# KiCad board right.kicad_pcb (continued)
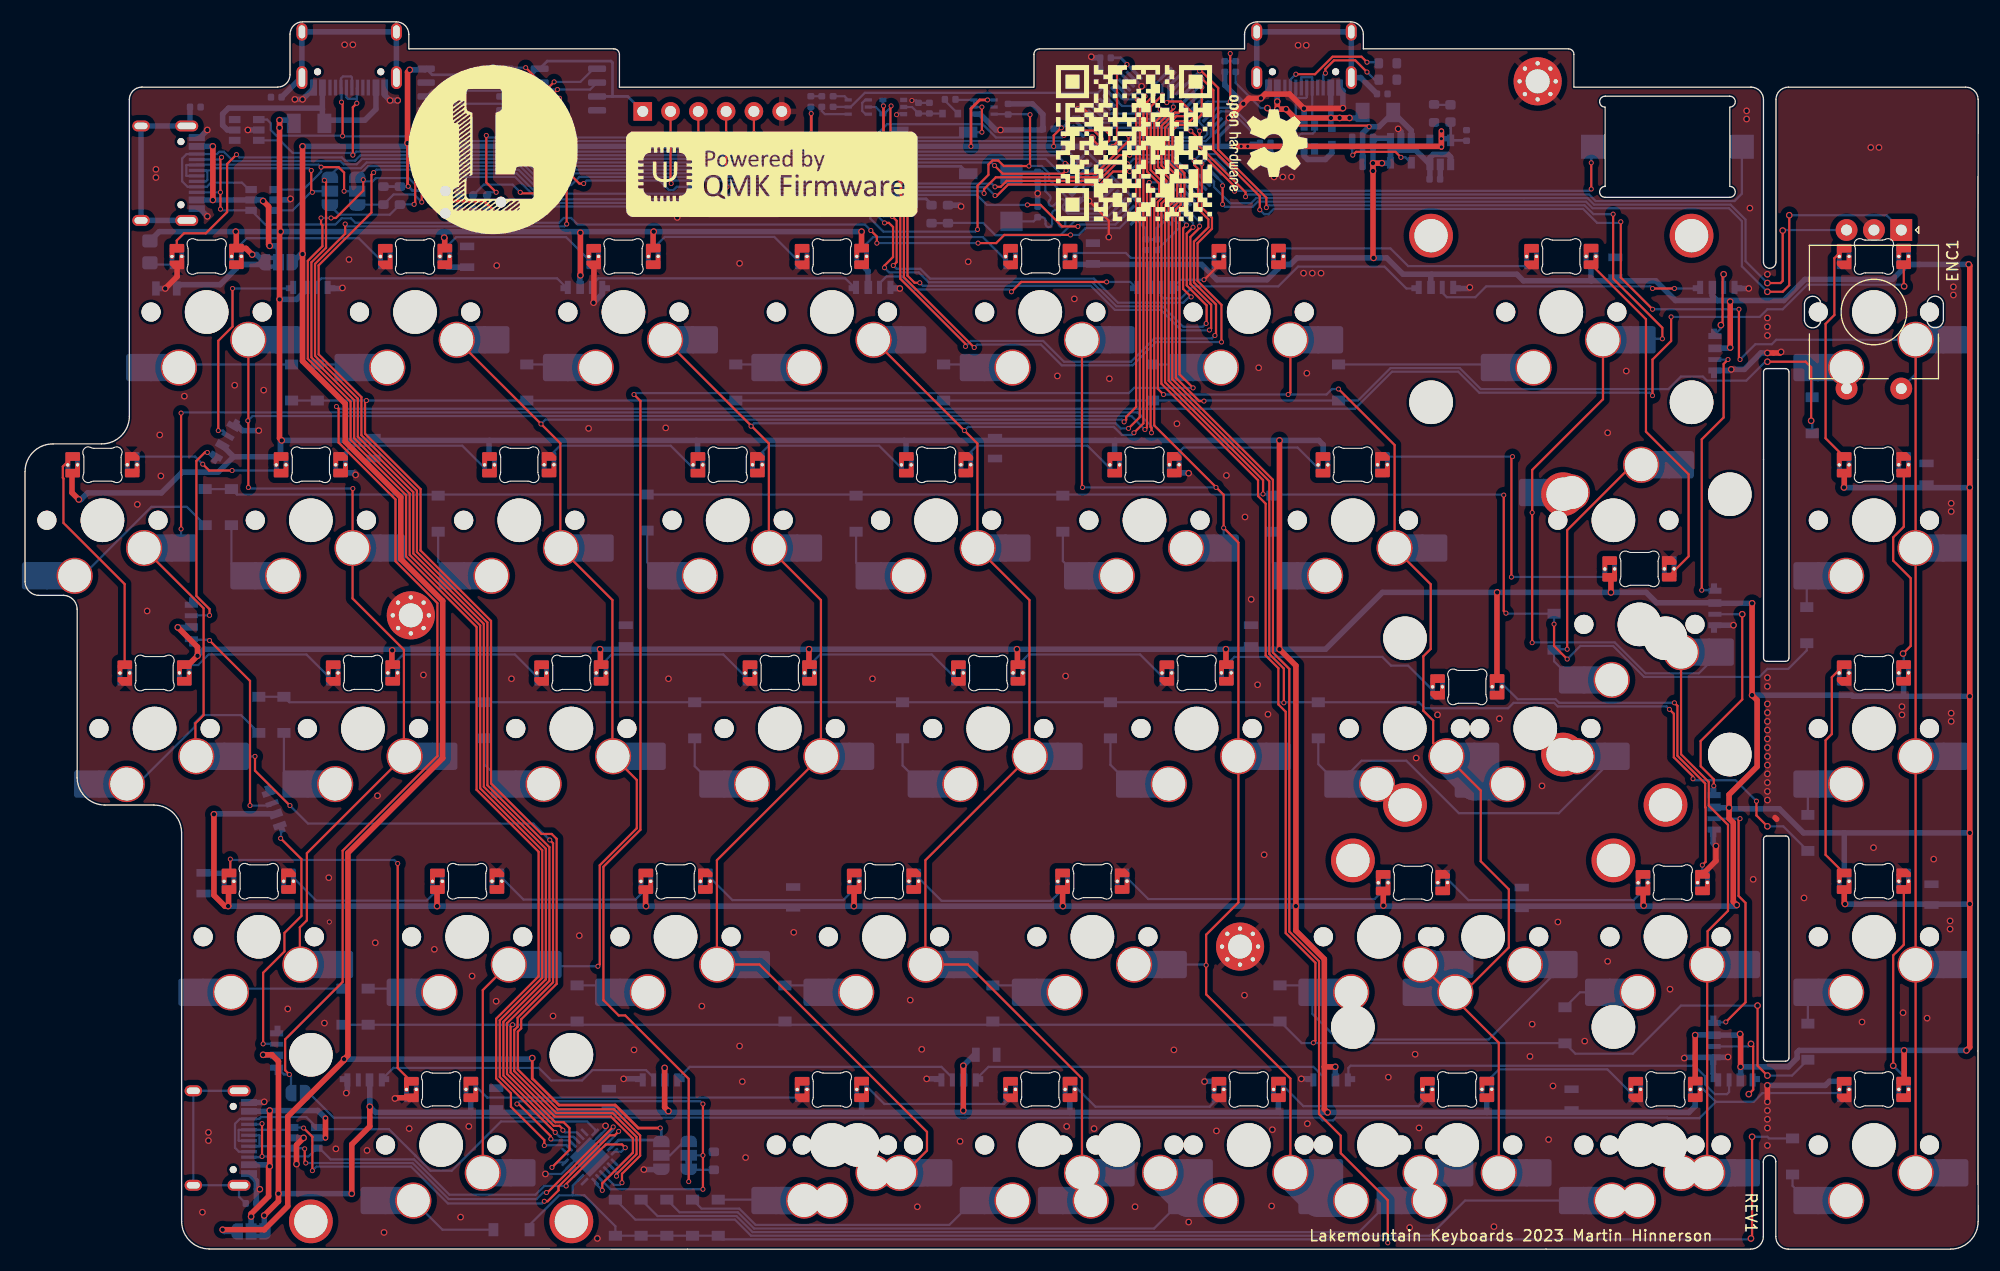
[diagram p0: board, top side]
## Footprints (pads in the part's own frame, mm; a bottom-side part is the same pattern mirrored in y, then rotated)
Buzzer_Mallory_AST1109MLTRQ
  rect 2.2x2.2 smd: 1(-6.8,0) 2(6.8,0)
C_0402_1005Metric
  rrect 0.59x0.64 smd: 1(-0.485,0) 2(0.485,0)
C_0805
  rect 0.7x1.3 smd: 1(-0.95,0) 2(0.95,0)
CON_TC2030_outlined
  round 0.991 hole 0.991 unplated: (-2.54,0) (2.54,-1.016) (2.54,1.016)
  round 0.787 smd: 1(-1.27,-0.635) 2(-1.27,0.635) 3(0,-0.635) 4(0,0.635) 5(1.27,-0.635) 6(1.27,0.635)
D_SOD-123
  rect 0.9x1.2 smd: 1(-1.65,0) 2(1.65,0)
D_SOD-523
  rect 0.6x0.7 smd: 1(-0.7,0) 2(0.7,0)
F1206
  rect 1.27x1.778 smd: 1(-1.397,0) 2(1.397,0)
LED_0402
  rrect 0.59x0.64 smd: +(0.485,0) -(-0.485,0)
LED_0603_1608Metric
  rrect 0.875x0.95 smd: 1(-0.787,0) 2(0.787,0)
LED_MX_6028R
  round 0.457 hole 0.305: 1(2.274,-0.01) 2(3.168,-0.01) 3(-3.168,0) 4(-2.274,0)
  custom 1.342x1.17 smd far side: 1(2.71,-0.74) 2(2.73,0.73) 3(-2.732,-0.73)
  custom 1.342x1.17 smd: 1(2.71,0.73) 2(2.73,-0.74) 3(-2.732,0.74)
  custom 1.338x1.25 smd: 4(-2.7,-0.75)
  custom 1.338x1.25 smd far side: 4(-2.7,0.76)
LED_MX_6028R_Flipped
  custom 1.342x1.17 smd: 1(-2.71,-0.73) 2(-2.73,0.74) 3(2.732,-0.74)
  custom 1.342x1.17 smd far side: 1(-2.71,0.74) 2(-2.73,-0.73) 3(2.732,0.73)
  round 0.457 hole 0.305: 1(-2.274,0.01) 2(-3.168,0.01) 3(3.168,0) 4(2.274,0)
  custom 1.338x1.25 smd far side: 4(2.7,-0.76)
  custom 1.338x1.25 smd: 4(2.7,0.75)
LED_MX_6028R_SOLO
  round 0.457 hole 0.305: 1(2.274,-0.01) 2(3.168,-0.01) 3(-3.168,0) 4(-2.274,0)
  custom 1.342x1.17 smd far side: 1(2.71,-0.74) 2(2.73,0.73) 3(-2.732,-0.73)
  custom 1.342x1.17 smd: 1(2.71,0.73) 2(2.73,-0.74) 3(-2.732,0.74)
  custom 1.338x1.25 smd: 4(-2.7,-0.75)
  custom 1.338x1.25 smd far side: 4(-2.7,0.76)
LQFP-64_10x10mm_P0.5mm
  rrect 1.55x0.3 smd: 1(-5.675,3.75) 2(-5.675,3.25) 3(-5.675,2.75) 4(-5.675,2.25) 5(-5.675,1.75) 6(-5.675,1.25) 7(-5.675,0.75) 8(-5.675,0.25) 9(-5.675,-0.25) 10(-5.675,-0.75) 11(-5.675,-1.25) 12(-5.675,-1.75) 13(-5.675,-2.25) 14(-5.675,-2.75) 15(-5.675,-3.25) 16(-5.675,-3.75) 33(5.675,-3.75) 34(5.675,-3.25) 35(5.675,-2.75) 36(5.675,-2.25) 37(5.675,-1.75) 38(5.675,-1.25) 39(5.675,-0.75) 40(5.675,-0.25) 41(5.675,0.25) 42(5.675,0.75) 43(5.675,1.25) 44(5.675,1.75) 45(5.675,2.25) 46(5.675,2.75) 47(5.675,3.25) 48(5.675,3.75)
  rrect 0.3x1.55 smd: 17(-3.75,-5.675) 18(-3.25,-5.675) 19(-2.75,-5.675) 20(-2.25,-5.675) 21(-1.75,-5.675) 22(-1.25,-5.675) 23(-0.75,-5.675) 24(-0.25,-5.675) 25(0.25,-5.675) 26(0.75,-5.675) 27(1.25,-5.675) 28(1.75,-5.675) 29(2.25,-5.675) 30(2.75,-5.675) 31(3.25,-5.675) 32(3.75,-5.675) 49(3.75,5.675) 50(3.25,5.675) 51(2.75,5.675) 52(2.25,5.675) 53(1.75,5.675) 54(1.25,5.675) 55(0.75,5.675) 56(0.25,5.675) 57(-0.25,5.675) 58(-0.75,5.675) 59(-1.25,5.675) 60(-1.75,5.675) 61(-2.25,5.675) 62(-2.75,5.675) 63(-3.25,5.675) 64(-3.75,5.675)
MountingHole_2.2mm_M2_Pad_Via
  round 0.7 hole 0.4: 1(-1.65,0) 1(-1.167,-1.167) 1(-1.167,1.167) 1(0,-1.65) 1(0,1.65) 1(1.167,-1.167) 1(1.167,1.167) 1(1.65,0)
  round 4.4 hole 2.2: 1(0,0)
PinHeader_1x06_P2.54mm_Vertical
  rect 1.7x1.7 hole 1: 1(0,0)
  oval 1.7x1.7 hole 1: 2(0,-2.54) 3(0,-5.08) 4(0,-7.62) 5(0,-10.16) 6(0,-12.7)
R_0402_1005Metric
  rrect 0.59x0.64 smd: 1(-0.485,0) 2(0.485,0)
R_0603_1608Metric
  rrect 0.8x0.95 smd: 1(-0.825,0) 2(0.825,0)
R_0805_2012Metric_Pad1.20x1.40mm_HandSolder
  rrect 1.2x1.4 smd: 1(-1,0) 2(1,0)
RotaryEncoder-Switch_Vertical_H20mm
  rect 2x2 hole 1: A(-7.5,2.5)
  round 2 hole 1: B(-7.5,-2.5) C(-7.5,0) S1(7,-2.5) S2(7,2.5)
sk6812side
  custom 0.7x1.2 smd: 1(-0.45,0.3)
  custom 0.45x1.2 smd: 2(0.6,0.3)
  custom 0.95x1.2 smd: 3(-1.6,0.3)
  custom 0.975x1.2 smd: 4(1.6,0.3)
sk6812side#2
  custom 0.7x1.2 smd: 1(-0.45,0.3)
  custom 0.45x1.2 smd: 2(0.6,0.3)
  custom 0.95x1.2 smd: 3(-1.6,0.3)
  custom 0.975x1.2 smd: 4(1.6,0.3)
SOIC-8_5.23x5.23mm_P1.27mm
  rrect 1.6x0.6 smd: 1(-3.6,1.905) 2(-3.6,0.635) 3(-3.6,-0.635) 4(-3.6,-1.905) 5(3.6,-1.905) 6(3.6,-0.635) 7(3.6,0.635) 8(3.6,1.905)
SolderJumper-2_P1.3mm_Open_RoundedPad1.0x1.5mm
  custom 1x1.5 smd: 1(-0.65,0) 2(0.65,0)
SolderJumper-3_P1.3mm_Bridged2Bar12_RoundedPad1.0x1.5mm
  custom 1.05x1.5 smd: 1(-1.3,0) 3(1.3,0)
  rect 1x1.5 smd: 2(0,0)
SolderJumper-3_P1.3mm_Bridged12_RoundedPad1.0x1.5mm
  custom 1.05x1.5 smd: 1(-1.3,0) 3(1.3,0)
  rect 1x1.5 smd: 2(0,0)
SolderJumper-3_P1.3mm_Open_RoundedPad1.0x1.5mm_NumberLabels
  custom 1.05x1.5 smd: 1(-1.3,0) 3(1.3,0)
  rect 1x1.5 smd: 2(0,0)
SOP-8_3.9x4.9mm_P1.27mm
  rrect 1.65x0.6 smd: 1(-2.625,1.905) 2(-2.625,0.635) 3(-2.625,-0.635) 4(-2.625,-1.905) 5(2.625,-1.905) 6(2.625,-0.635) 7(2.625,0.635) 8(2.625,1.905)
SOT-23
  rrect 1.475x0.6 smd: 1(-0.938,0.95) 2(-0.938,-0.95) 3(0.938,0)
SOT-23-5
  rect 1.06x0.65 smd: 1(1.1,-0.95) 2(1.1,0) 3(1.1,0.95) 4(-1.1,0.95) 5(-1.1,-0.95)
SOT-23-6
  rect 1.06x0.65 smd: 1(-1.1,0.95) 2(-1.1,0) 3(-1.1,-0.95) 4(1.1,-0.95) 5(1.1,0) 6(1.1,0.95)
SOT-353_SC-70-5
  rect 0.65x0.4 smd: 1(0.95,-0.65) 2(0.95,0) 3(0.95,0.65) 4(-0.95,0.65) 5(-0.95,-0.65)
SOT-363_SC-70-6_SC-88
  rect 0.66x0.3 smd: 1(0.92,-0.65) 2(0.92,0) 3(0.92,0.65) 4(-0.92,0.65) 5(-0.92,0) 6(-0.92,-0.65)
STAB_MX_P_2.25u
  round 4 hole 3.048: (-11.906,6.985) (11.906,6.985)
  round 3.988 hole 3.988 unplated: (-11.906,-8.255) (11.906,-8.255)
STAB_MX_P_2.75u
  round 4 hole 3.048: (-11.906,6.985) (11.906,6.985)
  round 3.988 hole 3.988 unplated: (-11.906,-8.255) (11.906,-8.255)
STAB_MX_P_2u
  round 4 hole 3.048: (-11.906,6.985) (11.906,6.985)
  round 3.988 hole 3.988 unplated: (-11.906,-8.255) (11.906,-8.255)
STAB_MX_P_ISO
  round 4 hole 3.048: (-6.985,11.906) (-6.985,-11.906)
  round 3.988 hole 3.988 unplated: (8.255,11.906) (8.255,-11.906)
SW_MX_HS_1.5u
  round 1.75 hole 1.75 unplated: (-5.08,0) (5.08,0)
  round 3.988 hole 3.988 unplated: (0,0)
  round 3.3 hole 3: 1(3.81,2.54) 2(-2.54,5.08)
  rect 1.65x2.5 smd: 1(5.635,2.54) 2(-4.34,5.08)
  rrect 2.55x2.5 smd: 1(7.36,2.54) 2(-6.09,5.08)
SW_MX_HS_1.25u
  round 1.75 hole 1.75 unplated: (-5.08,0) (5.08,0)
  round 3.988 hole 3.988 unplated: (0,0)
  round 3.3 hole 3: 1(3.81,2.54) 2(-2.54,5.08)
  rect 1.65x2.5 smd: 1(5.635,2.54) 2(-4.34,5.08)
  rrect 2.55x2.5 smd: 1(7.36,2.54) 2(-6.09,5.08)
SW_MX_HS_1.75u
  round 1.75 hole 1.75 unplated: (-5.08,0) (5.08,0)
  round 3.988 hole 3.988 unplated: (0,0)
  round 3.3 hole 3: 1(3.81,2.54) 2(-2.54,5.08)
  rect 1.65x2.5 smd: 1(5.635,2.54) 2(-4.34,5.08)
  rrect 2.55x2.5 smd: 1(7.36,2.54) 2(-6.09,5.08)
SW_MX_HS_1u
  round 1.75 hole 1.75 unplated: (-5.08,0) (5.08,0)
  round 3.988 hole 3.988 unplated: (0,0)
  round 3.3 hole 3: 1(3.81,2.54) 2(-2.54,5.08)
  rect 1.65x2.5 smd: 1(5.635,2.54) 2(-4.34,5.08)
  rrect 2.55x2.5 smd: 1(7.36,2.54) 2(-6.09,5.08)
SW_MX_HS_2.25u
  round 1.75 hole 1.75 unplated: (-5.08,0) (5.08,0)
  round 3.988 hole 3.988 unplated: (0,0)
  round 3.3 hole 3: 1(3.81,2.54) 2(-2.54,5.08)
  rect 1.65x2.5 smd: 1(5.635,2.54) 2(-4.34,5.08)
  rrect 2.55x2.5 smd: 1(7.36,2.54) 2(-6.09,5.08)
SW_MX_HS_2.75u
  round 1.75 hole 1.75 unplated: (-5.08,0) (5.08,0)
  round 3.988 hole 3.988 unplated: (0,0)
  round 3.3 hole 3: 1(3.81,2.54) 2(-2.54,5.08)
  rect 1.65x2.5 smd: 1(5.635,2.54) 2(-4.34,5.08)
  rrect 2.55x2.5 smd: 1(7.36,2.54) 2(-6.09,5.08)
SW_MX_HS_2u
  round 1.75 hole 1.75 unplated: (-5.08,0) (5.08,0)
  round 3.988 hole 3.988 unplated: (0,0)
  round 3.3 hole 3: 1(3.81,2.54) 2(-2.54,5.08)
  rect 1.65x2.5 smd: 1(5.635,2.54) 2(-4.34,5.08)
  rrect 2.55x2.5 smd: 1(7.36,2.54) 2(-6.09,5.08)
SW_SPST_TL3342
  rect 1.7x1 smd: 1(-3.15,1.9) 1(3.15,1.9) 2(-3.15,-1.9) 2(3.15,-1.9)
USB_C_Receptacle_HRO_TYPE-C-31-M-12
  round 0.65 hole 0.65 unplated: (-2.89,2.6) (2.89,2.6)
  rect 0.6x1.45 smd: A1(-3.25,4.045) A4(-2.45,4.045) A9(2.45,4.045) A12(3.25,4.045) B1(3.25,4.045) B4(2.45,4.045) B9(-2.45,4.045) B12(-3.25,4.045)
  rect 0.3x1.45 smd: A5(-1.25,4.045) A6(-0.25,4.045) A7(0.25,4.045) A8(1.25,4.045) B5(1.75,4.045) B6(0.75,4.045) B7(-0.75,4.045) B8(-1.75,4.045)
  oval 1x1.6 hole 0.6x1.2: S1(-4.32,-1.05) S1(4.32,-1.05)
  oval 1x2.1 hole 0.6x1.7: S1(-4.32,3.13) S1(4.32,3.13)
WQFN-24-1EP_4x4mm_P0.5mm_EP2.6x2.6mm
  rrect 1.05x1.05 smd: (-0.65,-0.65) (-0.65,0.65) (0.65,-0.65) (0.65,0.65)
  rrect 0.875x0.25 smd: 1(-1.938,1.25) 2(-1.937,0.75) 3(-1.938,0.25) 4(-1.938,-0.25) 5(-1.937,-0.75) 6(-1.938,-1.25) 13(1.938,-1.25) 14(1.937,-0.75) 15(1.938,-0.25) 16(1.938,0.25) 17(1.937,0.75) 18(1.938,1.25)
  rrect 0.25x0.875 smd: 7(-1.25,-1.938) 8(-0.75,-1.937) 9(-0.25,-1.938) 10(0.25,-1.938) 11(0.75,-1.937) 12(1.25,-1.938) 19(1.25,1.938) 20(0.75,1.937) 21(0.25,1.938) 22(-0.25,1.938) 23(-0.75,1.937) 24(-1.25,1.938)
  rect 2.6x2.6 smd: 25(0,0)
X2-SMD-5.0X3.2X1.3MM
  rect 1.778x2.032 smd: 1(-2.159,0) 2(2.159,0)

## Nets
+3.3V: C1.1 C3.1 C5.1 C6.1 C7.1 C8.1 C9.1 C11.1 D1.1 J2.1 J4.1 JP2.3 JP5.3 JP8.3 Q1.4 R2.1 R8.1 R12.1 R13.1 SW1.2 U1.1 U1.13 U1.19 U1.32 U1.48 U1.64 U2.5 U5.5 U7.3 U7.7 U7.8 U8.8 U9.5
+5V: C4.1 C13.1 C14.2 C15.1 C16.2 C17.1 C18.1 C19.2 C20.1 C21.1 C24.1 C25.2 C26.1 C27.2 C28.1 C29.1 C30.2 C31.1 F2.2 JP2.1 JP8.1 LEDa1.1 LEDa2.1 LEDa3.1 LEDa4.1 LEDa5.1 LEDa6.1 LEDa7.1 LEDa8.1 LEDb1.1 LEDb2.1 LEDb3.1 LEDb4.1 LEDb5.1 LEDb6.1 LEDb7.1 LEDb8.1 LEDb9.1 LEDc1.1 LEDc2.1 LEDc3.1 LEDc4.1 LEDc5.1 LEDc6.1 LEDc7.1 LEDc8.1 LEDd1.1 LEDd2.1 LEDd3.1 LEDd4.1 LEDd5.1 LEDd6.1 LEDd7.1 LEDd8.1 LEDe1.1 LEDe2.1 LEDe3.1 LEDe4.1 LEDe5.1 LEDe6.1 LEDe7.1 LEDs1.1 LEDs2.1 LEDs3.1 LEDs4.1 LEDs5.1 LEDs6.1 LEDs7.1 LEDs8.1 LEDs9.1 LEDs10.1 LEDs11.1 LEDs12.1 LEDs13.1 LEDs14.1 LEDs15.1 LEDs16.1 LEDs17.1 LEDs18.1 LEDs19.1 Q3.2 R1.2 U2.1 U2.3 U6.1 U6.5
/VBUS_DETECT: R10.2 R11.1 U1.42
GND: C1.2 C2.2 C3.2 C4.2 C5.2 C6.2 C7.2 C8.2 C9.2 C10.2 C11.2 C12.2 C13.2 C14.1 C15.2 C16.1 C17.2 C18.2 C19.1 C20.2 C21.2 C22.2 C23.2 C24.2 C25.1 C26.2 C27.1 C28.2 C29.2 C30.1 C31.2 ENC1.C FB1.2 FB2.2 FB3.2 FB4.2 H1.1 H2.1 H3.1 J1.A1 J1.A12 J1.B1 J1.B12 J2.6 J3.A1 J3.A12 J3.B1 J3.B12 J4.5 J5.A1 J5.A12 J5.B1 J5.B12 J6.A1 J6.A12 J6.B1 J6.B12 JP5.1 LEDa1.4 LEDa2.4 LEDa3.4 LEDa4.4 LEDa5.4 LEDa6.4 LEDa7.4 LEDa8.4 LEDb1.4 LEDb2.4 LEDb3.4 LEDb4.4 LEDb5.4 LEDb6.4 LEDb7.4 LEDb8.4 LEDb9.4 LEDc1.4 LEDc2.4 LEDc3.4 LEDc4.4 LEDc5.4 LEDc6.4 LEDc7.4 LEDc8.4 LEDd1.4 LEDd2.4 LEDd3.4 LEDd4.4 LEDd5.4 LEDd6.4 LEDd7.4 LEDd8.4 LEDe1.4 LEDe2.4 LEDe3.4 LEDe4.4 LEDe5.4 LEDe6.4 LEDe7.4 LEDs1.4 LEDs2.4 LEDs3.4 LEDs4.4 LEDs5.4 LEDs6.4 LEDs7.4 LEDs8.4 LEDs9.4 LEDs10.4 LEDs11.4 LEDs12.4 LEDs13.4 LEDs14.4 LEDs15.4 LEDs16.4 LEDs17.4 LEDs18.4 LEDs19.4 Q1.1 Q2.1 Q2.3 R3.1 R4.1 R6.2 R7.2 R11.2 R14.2 R15.2 U1.12 U1.18 U1.31 U1.47 U1.63 U2.2 U3.2 U4.2 U5.3 U6.2 U7.4 U8.4 U9.2 U9.17 U9.25 U10.2 U11.2
/audio1: LS1.2 U1.20
/audio2: LS1.1 U1.21
/B2: Q2.5 R9.2 SWa4.1 SWb5.1 SWc5.1 SWd4.1 SWe3.1 SWe9.2 U1.28
/BOOT0: Q2.2 U1.60 U5.4
/col0: SWb1.1 SWc1.1 U1.59 U9.8
/col1: SWa1.1 SWb2.1 SWc2.1 SWd1.1 U1.58
/col2: SWa2.1 SWb3.1 SWc3.1 SWd2.1 SWe1.1 U1.26
/col3: SWa3.1 SWb4.1 SWc4.1 SWd3.1 SWe2.1 SWe8.1 U1.27
/col5: SWa5.1 SWb6.1 SWc6.1 SWd5.1 SWe4.1 SWe10.2 U1.33
/col6: SWa6.1 SWb7.1 SWc7.1 SWcx7.2 SWd6.1 SWd9.2 SWe5.1 U1.34
/col7: SWa7.1 SWb8.1 SWbx8.1 SWd7.1 SWe6.1 SWe11.1 U1.37
/col8: ENC1.S2 SWa8.1 SWb9.1 SWc8.1 SWd8.1 SWe7.1 U1.38
/CONN2_CS: J6.A8 J6.B8 U1.2 U11.4
/CONN_CS: U1.3 U9.18
/CONN_SEL: JP13.1 R15.1 U1.39
/DFU: Q1.5
/DO60: JP1.1 LEDe5.2 LEDe6.3
/DO65: JP1.2 LEDa8.2 LEDs4.3
/EEPROM_CS: U1.14 U7.1
/ENC_A: ENC1.A U1.52
/ENC_B: ENC1.B U1.53
/F0: C22.1 U1.5 Y1.1
/F1: C23.1 U1.6 Y1.2
/FLASH_CS: U1.43 U8.1
/I2C1_SCL: JP4.3 R2.2 U1.61
/I2C1_SDA: JP3.3 R8.2 U1.62
/JTCK: J2.4 J4.4 U1.49
/JTDI: J2.2 U1.50
/JTDO: J2.3 J4.6 JP4.1 U1.55 U7.6 U8.6 U9.20
/JTMS: J2.5 J4.2 U1.46
/NRST: C2.1 J4.3 Q1.6 U1.7
/RGB_DATA: LEDa1.3 R1.1 U1.15
/row0: Da1.1 Da2.1 Da3.1 Da4.1 Da5.1 Da6.1 Da7.1 Da8.1 U1.35 U9.10
/row1: Db1.1 Db2.1 Db3.1 Db4.1 Db5.1 Db6.1 Db7.1 Db10.1 Db11.1 U1.36
/row2: Db8.1 Dc1.1 Dc2.1 Dc3.1 Dc4.1 Dc5.1 Dc6.1 Dc7.1 U1.22
/row3: Dd1.1 Dd2.1 Dd3.1 Dd4.1 Dd5.1 Dd6.1 Dd7.1 Dd8.1 U1.23 U9.12
/row4: Db9.1 De2.1 De3.1 De4.1 De5.1 De6.1 De7.1 U1.41 U9.14
/SPI_MISO: J6.A5 J6.B5 U1.56 U7.2 U8.2 U9.23 U11.6
/SPI_MOSI: JP3.1 U1.57 U7.5 U8.5 U9.22
/SPLIT_HAND_PIN: R13.2 R14.1 U1.4
/USART2_RX: J3.A7 J3.B7 U1.17 U10.1
/USART2_TX: J3.A6 J3.B6 U1.16 U10.3
/USB_D+: J1.A6 J1.B6 U1.45 U4.3
/USB_D-: J1.A7 J1.B7 U1.44 U4.1
/USB_VBUS: D2.2 F1.2 J1.A4 J1.A9 J1.B4 J1.B9
/USB_VBUS_FUSED: F1.1 Q3.3 R10.1 U6.3
/USB_VBUS_IN_LINK: F2.1 J3.A4 J3.A9 J3.B4 J3.B9 U10.5
/VCAP_1: C12.1 U1.30
/z1: J5.A5 J5.B5 U3.4 U9.1
/z2: J5.A7 J5.B7 U3.1 U9.3
/z3: J5.A6 J5.B6 U3.3 U9.4
/z4: J5.A8 J5.B8 U3.6 U9.6
Net-(D1-K): D1.2 R6.1
Net-(D2-K): D2.1 U4.5
Net-(D3-Pad+): D3.+ R12.2
Net-(D3-Pad-): D3.- Q2.4
Net-(Da1-A): Da1.2 SWa1.2
Net-(Da2-A): Da2.2 SWa2.2
Net-(Da3-A): Da3.2 SWa3.2
Net-(Da4-A): Da4.2 SWa4.2
Net-(Da5-A): Da5.2 SWa5.2
Net-(Da6-A): Da6.2 SWa6.2
Net-(Da7-A): Da7.2 SWa7.2
Net-(Da8-A): Da8.2 ENC1.S1 SWa8.2
Net-(Db1-A): Db1.2 SWb1.2
Net-(Db2-A): Db2.2 SWb2.2
Net-(Db3-A): Db3.2 SWb3.2
Net-(Db4-A): Db4.2 SWb4.2
Net-(Db5-A): Db5.2 SWb5.2
Net-(Db6-A): Db6.2 SWb6.2
Net-(Db7-A): Db7.2 SWb7.2
Net-(Db8-A): Db8.2 SWc7.2 SWcx7.1
Net-(Db9-A): Db9.2 SWe5.2 SWe10.1
Net-(Db10-A): Db10.2 SWb8.2 SWbx8.2
Net-(Db11-A): Db11.2 SWb9.2
Net-(Dc1-A): Dc1.2 SWc1.2
Net-(Dc2-A): Dc2.2 SWc2.2
Net-(Dc3-A): Dc3.2 SWc3.2
Net-(Dc4-A): Dc4.2 SWc4.2
Net-(Dc5-A): Dc5.2 SWc5.2
Net-(Dc6-A): Dc6.2 SWc6.2
Net-(Dc7-A): Dc7.2 SWc8.2
Net-(Dd1-A): Dd1.2 SWd1.2
Net-(Dd2-A): Dd2.2 SWd2.2
Net-(Dd3-A): Dd3.2 SWd3.2
Net-(Dd4-A): Dd4.2 SWd4.2
Net-(Dd5-A): Dd5.2 SWd5.2
Net-(Dd6-A): Dd6.2 SWd6.2 SWd9.1
Net-(Dd7-A): Dd7.2 SWd7.2
Net-(Dd8-A): Dd8.2 SWd8.2
Net-(De1-A): De1.2 R5.2
Net-(De1-K): C10.1 De1.1 R7.1 U5.2
Net-(De2-A): De2.2 SWe1.2
Net-(De3-A): De3.2 SWe2.2 SWe8.2
Net-(De4-A): De4.2 SWe4.2 SWe9.1
Net-(De5-A): De5.2 SWe6.2 SWe11.2
Net-(De6-A): De6.2 SWe7.2
Net-(De7-A): De7.2 SWe3.2
Net-(J1-CC1): J1.A5 R3.2
Net-(J1-CC2): J1.B5 R4.2
Net-(J1-SHIELD): FB1.1 J1.S1
Net-(J3-SHIELD): FB2.1 J3.S1
Net-(J5-SHIELD): FB3.1 J5.S1
Net-(J6-SHIELD): FB4.1 J6.S1
Net-(JP2-C): J6.A4 J6.A9 J6.B4 J6.B9 JP2.2 U11.5
Net-(JP3-C): J6.A7 J6.B7 JP3.2 U11.3
Net-(JP4-C): J6.A6 J6.B6 JP4.2 U11.1
Net-(JP8-C): J5.A4 J5.A9 J5.B4 J5.B9 JP8.2 U3.5
Net-(JP13-B): JP5.2 JP13.3
Net-(JP13-C): JP13.2 U9.11 U9.21
Net-(LEDa1-DOUT): LEDa1.2 LEDa2.3
Net-(LEDa2-DOUT): LEDa2.2 LEDa3.3
Net-(LEDa3-DOUT): LEDa3.2 LEDa4.3
Net-(LEDa4-DOUT): LEDa4.2 LEDa5.3
Net-(LEDa5-DOUT): LEDa5.2 LEDa6.3
Net-(LEDa6-DOUT): LEDa6.2 LEDa7.3
Net-(LEDa7-DOUT): LEDa7.2 LEDb8.3
Net-(LEDa8-DIN): LEDa8.3 LEDb9.2
Net-(LEDb1-DIN): LEDb1.3 LEDb2.2
Net-(LEDb1-DOUT): LEDb1.2 LEDc1.3
Net-(LEDb2-DIN): LEDb2.3 LEDb3.2
Net-(LEDb3-DIN): LEDb3.3 LEDb4.2
Net-(LEDb4-DIN): LEDb4.3 LEDb5.2
Net-(LEDb5-DIN): LEDb5.3 LEDb6.2
Net-(LEDb6-DIN): LEDb6.3 LEDb7.2
Net-(LEDb7-DIN): LEDb7.3 LEDb8.2
Net-(LEDb9-DIN): LEDb9.3 LEDc8.2
Net-(LEDc1-DOUT): LEDc1.2 LEDc2.3
Net-(LEDc2-DOUT): LEDc2.2 LEDc3.3
Net-(LEDc3-DOUT): LEDc3.2 LEDc4.3
Net-(LEDc4-DOUT): LEDc4.2 LEDc5.3
Net-(LEDc5-DOUT): LEDc5.2 LEDc6.3
Net-(LEDc6-DOUT): LEDc6.2 LEDc7.3
Net-(LEDc7-DOUT): LEDc7.2 LEDd7.3
Net-(LEDc8-DIN): LEDc8.3 LEDd8.2
Net-(LEDd1-DIN): LEDd1.3 LEDd2.2
Net-(LEDd1-DOUT): LEDd1.2 LEDe1.3
Net-(LEDd2-DIN): LEDd2.3 LEDd3.2
Net-(LEDd3-DIN): LEDd3.3 LEDd4.2
Net-(LEDd4-DIN): LEDd4.3 LEDd5.2
Net-(LEDd5-DIN): LEDd5.3 LEDd6.2
Net-(LEDd6-DIN): LEDd6.3 LEDd7.2
Net-(LEDd8-DIN): LEDd8.3 LEDe6.2
Net-(LEDe1-DOUT): LEDe1.2 LEDe2.3
Net-(LEDe2-DOUT): LEDe2.2 LEDe7.3
Net-(LEDe3-DIN): LEDe3.3 LEDe7.2
Net-(LEDe3-DOUT): LEDe3.2 LEDe4.3
Net-(LEDe4-DOUT): LEDe4.2 LEDe5.3
Net-(LEDs1-DIN): LEDs1.3 LEDs2.2
Net-(LEDs1-DOUT): LEDs1.2 LEDs5.3
Net-(LEDs2-DIN): LEDs2.3 LEDs3.2
Net-(LEDs3-DIN): LEDs3.3 LEDs4.2
Net-(LEDs5-DOUT): LEDs5.2 LEDs7.3
Net-(LEDs6-DIN): LEDs6.3 LEDs8.2
Net-(LEDs7-DOUT): LEDs7.2 LEDs9.3
Net-(LEDs10-DIN): LEDs10.3 LEDs12.2
Net-(LEDs10-DOUT): LEDs8.3 LEDs10.2
Net-(LEDs11-DIN): LEDs9.2 LEDs11.3
Net-(LEDs11-DOUT): LEDs11.2 LEDs13.3
Net-(LEDs12-DIN): LEDs12.3 LEDs14.2
Net-(LEDs13-DOUT): LEDs13.2 LEDs15.3
Net-(LEDs14-DIN): LEDs14.3 LEDs19.2
Net-(LEDs15-DOUT): LEDs15.2 LEDs16.3
Net-(LEDs16-DOUT): LEDs16.2 LEDs17.3
Net-(LEDs17-DOUT): LEDs17.2 LEDs18.3
Net-(LEDs18-DOUT): LEDs18.2 LEDs19.3
Net-(Q1-B): Q1.2 Q1.3 R5.1 SW1.1
Net-(Q2-C-Pad6): Q2.6 R9.1
Net-(Q3-G): Q3.1 U6.4

Pads without a net: J1 A8 B8; J3 A5 A8 B5 B8; LEDs6 2; U1 8 9 10 11 24 25 29 40 51 54; U2 4; U4 4 6; U5 1; U8 3 7; U9 7 9 13 15 16 19 24; U10 4 6

## Via types
v1: diameter 0.61, hole 0.406, Top to Bottom, 308 vias
v2: diameter 0.457, hole 0.305, Top to Bottom, 250 vias

## Routing (per net, layer and track width the routed paths; a pad name or vN(x,y) marks a point on that pad's centre or on a via; arc(x,y) is an arc through that point)
+3.3V: length 389.2
  Top w0.203: v2(94.02,100.87) 94.02,101.87 v2(94.73,102.57) ; v2(99.42,100.87) 99.81,101.26 99.81,107.46 v2(100.73,108.37)
  Top w0.254: v2(35.02,97.22) 34.96,97.29 v1(34.96,101.18) ; v2(86.46,100.88) 86.46,104.33 87.26,105.12 v2(87.98,105.12) ; v2(43.06,94.78) 41.96,95.88 v2(37.36,95.88) ; v2(71.86,103.88) 71.86,100.98 v2(71.76,100.88) ; v2(58.06,11.08) 56.05,11.08 53.95,13.18 48.8,13.18 46.36,15.62 v1(46.36,17.48) ; v2(80.06,95.88) 80.06,97.58 v2(78.76,98.88) 78.46,99.18 v2(78.46,100.88) v2(78.46,104.58)
  Top w0.508: v2(110.51,100.88) 129.41,100.88 v2(129.46,100.83) v2(129.46,102.28) ; v1(35.16,107.88) 34.96,107.68 v1(34.96,101.18) ; v1(18.06,1.78) 21.86,1.78 24.01,3.93 24.01,12.13 29.16,17.28 v1(29.16,17.38) 29.51,17.73 29.51,36.25 38.17,44.91 38.17,59.3 34.35,63.13 34.35,68.78 29.27,73.85 29.27,77.33 25.36,81.24 v1(25.36,91.03) v1(25.36,100.88)
  Bottom w0.203: Q1.4 87.98,105.13 v2(87.98,105.12)
  Bottom w0.254: v2(78.76,98.88) 79.41,98.88 SW1.2 80.58,99.05 85.54,99.05 SW1.2 ; 47.04,107.98 47.73,108.68 53.56,108.68 53.7,108.54 53.7,105.44 ; U5.5 78.41,104.63 v2(78.46,104.58) ; JP5.3 58.16,10.98 v2(58.06,11.08) ; J2.1 55.1,105.44 53.7,105.44 ; R2.1 R8.1 35,97.2 v2(35.02,97.22) 35.42,96.83 36.41,96.83 v2(37.36,95.88) ; 53.7,105.44 52.29,105.44 ; 46.32,107.43 37.22,107.43 36.66,107.98 ; 46.32,107.43 46.88,107.98 ; 46.32,107.43 U7.7 ; v2(71.86,103.88) 71.83,103.91 R12.1 ; J4.1 42.7,95.14 v2(43.06,94.78) ; C7.1 C9.1 112.06,101.18 v2(111.76,100.88) ; 58.06,9.98 54.26,9.98 53.55,9.27 U9.5 ; 95.72,96.86 U1.13 98.14,99.27 98.17,99.27 ; 82.86,95.58 82.36,96.08 80.26,96.08 v2(80.06,95.88) ; 96.58,100.88 96.58,100.87 98.17,99.27 ; 98.17,99.27 102.23,95.22 102.23,94.88 U1.1 102.46,93.33 C3.1 C5.1 103.46,93.39 U1.64 ; 109.16,101.81 109.16,100.88 ; U1.19 96.35,103.57 95.83,103.57 94.73,102.47 C11.1 ; 130.31,103.08 U2.5 131.73,101.43 ; 99.25,108.98 100.14,108.98 U1.32
  Bottom w0.508: v1(46.36,17.48) 46.26,17.38 v1(29.16,17.38) ; v1(34.96,101.18) 35.26,100.88 35.56,100.88 ; 35.56,100.88 v2(71.76,100.88) v2(78.46,100.88) v2(111.76,100.88) ; 35.56,100.88 v1(25.36,100.88) ; U2.5 130.16,101.58 v2(129.46,101.58) ; v2(129.46,100.83) v2(129.46,102.28) ; JP2.3 25.21,91.03 v1(25.36,91.03) ; 36.66,107.98 36.56,107.88 v1(35.16,107.88) ; v1(18.06,1.78) 18.22,1.62 JP8.3
  vias: v2(111.16,100.88)
+5V: length 1171.1
  Top w0.508: v1(31.51,13.03) 31.51,11.23 29.86,9.58 v1(29.86,5.08) ; v1(21.76,17.78) 22.56,17.78 23.16,17.18 23.16,4.38 v1(21.86,3.08) ; v1(94.86,31.38) 94.84,31.4 94.84,32.91 ; v1(20.76,90.98) 20.2,91.54 LEDa1.1 19.31,93.03 v1(19.26,93.08) ; v1(75.76,31.38) 75.78,31.4 75.78,32.91 ; v1(114.66,73.98) v1(114.66,54.88) 116.16,53.38 v1(116.16,31.38) 116.16,29.13 118.76,26.53 118.76,16.68 ; LEDd7.1 147.9,31.49 v1(147.96,31.43) ; v1(50.76,89.08) v1(50.76,92.98) ; 90.71,53.44 90.71,54.83 v1(90.66,54.88) ; v1(155.86,82.48) v1(155.86,86.68) ; 56.72,32.91 56.72,31.42 v1(56.76,31.38) ; v1(58.81,12.63) 58.46,12.98 v1(58.46,16.58) ; v1(156.46,31.48) 156.15,31.8 156.15,39.01 155.76,39.4 v1(155.76,40.38) 155.76,41.58 158.33,44.14 158.33,50.21 v1(157.86,50.68) v1(157.86,59.08) ; v1(23.26,103.28) 23.26,74.18 v1(23.46,73.98) ; v1(177.46,18.18) 177.76,18.48 177.76,89.98 v1(177.66,90.08) ; v1(76.46,93.08) 76.46,91.55 ; v1(109.76,54.88) 109.77,54.87 109.77,53.44 ; LEDd6.1 124.15,31.44 v1(124.16,31.43) ; v1(124.02,99.34) v1(123.21,99.34) v1(123.21,98.63) 123.21,90.73 v1(123.26,90.68) ; v1(144.96,60.08) 144.96,61.39 ; 118.76,16.68 118.76,12.81 v1(119.06,12.51) ; 118.76,16.68 v1(119.76,16.68) ; v1(33.56,54.78) 33.53,54.75 33.53,53.44 ; 18.6,32.91 18.6,31.42 v1(18.56,31.38) 18.26,31.38 17.26,32.38 v1(17.26,39.78) ; v1(166.36,31.58) 166.29,31.65 LEDd8.1 ; v1(37.66,31.38) 37.66,31.38 37.66,32.91 ; v1(52.56,54.88) 52.59,54.85 52.59,53.44 ; 4.29,71.01 4.29,69.2 v1(4.91,68.58) ; v1(134.56,60.08) 134.55,60.06 LEDc7.1 ; v1(156.76,19.68) 156.81,19.63 v1(156.81,16.68) ; v1(85.76,16.78) v1(85.76,12.68) ; v1(38.31,92.53) 38.36,92.48 LEDa2.1 ; 14.93,53.44 v1(15.76,54.28) 15.76,55.08 v1(13.96,56.88) ; v1(71.66,54.88) 71.65,54.87 71.65,53.44 ; LEDa3.1 57.41,93.03 v1(57.46,93.08) ; v1(171.76,18.18) 171.76,15.4 ; v1(152.66,19.58) 152.66,15.35 ; LEDb9.1 166.29,69.71 v1(166.26,69.68)
  Bottom w0.508: 171.66,50.58 167.06,50.58 166.96,50.68 v1(157.86,50.68) ; 171.66,50.58 v1(177.76,50.58) ; 171.66,50.58 171.71,50.63 LEDc8.1 ; 133.63,12.51 133.61,12.53 LEDe4.1 ; 133.63,12.51 114.73,12.51 ; 133.63,12.51 152.09,12.51 152.66,13.08 LEDe5.1 ; v1(119.76,16.68) 119.76,15.63 ; LEDe3.1 114.56,12.68 114.73,12.51 ; 166.26,38.08 166.29,38.05 LEDd8.1 ; 166.26,38.08 v1(177.76,38.08) ; 166.26,38.08 162.56,38.08 160.36,40.28 155.86,40.28 v1(155.76,40.38) 154.35,40.38 ; 58.59,12.51 40.79,12.51 ; 58.59,12.51 58.71,12.63 v1(58.81,12.63) ; 58.59,12.51 76.63,12.51 ; 40.79,12.51 40.74,12.56 LEDe1.1 ; 40.79,12.51 32.03,12.51 v1(31.51,13.03) LEDs6.1 ; 95.49,12.51 95.51,12.53 LEDe7.1 ; 95.49,12.51 114.73,12.51 ; 95.49,12.51 76.63,12.51 ; v1(17.26,39.78) 17.3,39.82 LEDs3.1 ; v1(20.76,90.98) 21.16,90.98 JP2.1 ; v1(58.46,16.58) 58.46,15.63 ; v1(21.76,17.78) 23.02,17.78 ; 154.66,86.78 150.86,86.78 149.06,88.58 143.16,88.58 ; 154.66,86.78 160.76,86.78 162.69,88.71 170.7,88.71 171.71,89.71 LEDa8.1 173.16,90.07 173.16,90.08 v1(177.66,90.08) ; 154.66,86.78 154.21,87.23 LEDs15.1 ; v1(166.36,31.58) 166.38,31.56 177.74,31.56 v1(177.76,31.58) ; v1(157.86,59.08) 154.41,59.08 ; v1(156.76,19.68) 156.66,19.58 154.32,19.58 ; 99.59,72.48 99.59,73.91 99.66,73.98 ; 99.66,73.98 118.27,73.98 118.65,73.59 LEDb7.1 ; 99.66,73.98 80.36,73.98 ; C27.2 38.61,89.83 LEDa2.1 ; v1(21.86,3.08) 21.86,1.72 ; v1(123.21,99.34) v1(124.02,99.34) 124.81,99.34 124.81,100.53 ; v1(123.21,99.34) Q3.2 123.51,101.62 124.81,101.62 124.81,100.53 ; v1(123.21,99.34) v1(123.21,98.63) ; 102.76,90.08 95.51,90.08 ; 102.76,90.08 107.54,90.08 108.94,88.68 113.52,88.68 114.56,89.71 LEDa6.1 115.66,90.07 116.26,90.68 v1(123.26,90.68) 124.46,90.68 125.96,89.18 128.56,89.18 ; 102.76,90.08 102.77,90.07 LEDs11.1 ; 80.36,73.98 61.36,73.98 ; 80.36,73.98 80.53,73.81 80.53,72.48 ; U2.3 128.41,99.83 128.72,100.14 130.07,100.14 130.31,99.89 U2.1 ; U2.3 128.41,97.91 ; U2.3 127.1,100.54 124.82,100.54 124.81,100.53 ; 42.46,73.98 42.41,73.93 42.41,72.48 ; 42.46,73.98 61.36,73.98 ; 42.46,73.98 v1(23.46,73.98) 23.35,73.87 23.35,72.48 19.06,72.48 ; 76.63,12.51 76.46,12.68 LEDe2.1 ; 37.66,93.08 v1(19.26,93.08) 12.26,93.08 R1.2 ; 37.66,93.08 v1(76.46,93.08) ; 37.66,93.08 38.21,93.08 38.31,92.98 v1(38.31,92.53) ; v1(166.26,69.68) 166.28,69.66 177.74,69.66 v1(177.76,69.68) ; v1(156.46,31.48) 156.36,31.38 v1(18.56,31.38) ; 143.16,88.58 136.96,88.58 136.36,89.18 128.56,89.18 ; 143.16,88.58 143.13,88.61 LEDa7.1 ; LEDs9.1 77.05,89.48 LEDa4.1 ; LEDs10.1 85.81,16.73 v1(85.76,16.78) 86.76,17.78 C14.2 ; LEDs14.1 v1(156.81,16.68) 161.19,16.68 161.98,17.47 161.98,18 162.16,18.18 v1(171.76,18.18) v1(177.46,18.18) ; 128.56,89.18 128.49,89.11 LEDs13.1 ; v1(152.66,19.58) 152.68,19.59 LEDs19.1 ; 61.47,72.48 61.47,73.87 61.36,73.98 ; v1(23.26,86.88) 24.83,86.88 25.61,87.66 ; v1(23.26,102.58) v1(23.26,103.28) 24.27,103.28 ; v1(29.86,5.08) v1(23.16,5.08) ; LEDs16.1 155.81,82.43 v1(155.86,82.48) ; C21.1 14.21,88.23 17.82,88.23 19.31,89.71 LEDa1.1 21.66,90.07 ; v1(4.91,68.58) 5.11,68.58 5.71,69.18 12.46,69.18 14.36,71.08 17.65,71.08 19.06,72.48 ; v1(50.76,89.08) 50.71,89.03 LEDs7.1 ; v1(15.76,54.28) 16.36,54.88 118.87,54.88 124.07,60.08 v1(144.96,60.08) 148.18,60.08 149.13,59.13 LEDs17.1 ; v1(13.96,56.88) 15.28,56.88 ; 19.06,72.48 LEDs1.1 ; LEDd1.1 16.36,34.38
  vias: v1(23.36,93.08)
/VBUS_DETECT: length 9
  Top w0.203: v2(110.16,109.37) v2(110.16,104.98)
  Bottom w0.203: U1.42 108.08,104.98 v2(110.16,104.98) ; 110.16,108.66 R11.1 ; 110.16,108.66 v2(110.16,109.37) ; 110.16,108.66 R10.2
GND: length 153.4
  Top w0.203: v1(97.56,101.68) 97.56,101.53 98.06,101.03 98.71,101.03 99.11,101.43 99.11,101.98 96.81,104.28 v1(96.26,104.28) ; v1(97.26,95.88) 99.06,94.08 v1(99.06,92.58) ; v2(107.76,88.68) 107.78,88.68 LEDa6.4
  Top w0.508: v1(160.51,82.08) 160.41,81.98 v1(159.26,81.98) ; v1(12.81,87.88) 13.9,88.97 LEDa1.4 ; LEDe1.4 33.88,13.84 v1(33.81,13.78) ; 159.96,39.48 160.11,39.33 ; v1(110.06,103.48) 111.86,105.28 v1(112.96,105.28) 113.35,105.66 115.58,105.66 v1(116.9,104.34) 120.43,104.34 v1(120.46,104.38) ; LEDd7.4 153.33,34.29 154.56,35.52 v1(154.56,36.88) ; v1(159.26,14.98) v1(159.26,13.48) ; v1(24.81,7.78) 24.81,9.53 v1(25.46,10.18) ; v1(51.96,86.58) 52,86.62 LEDa3.4
  Bottom w0.203: 104.67,94.57 105.46,93.78 105.46,93.39 C5.2 ; C10.2 R7.2 81.45,105.08 v2(81.06,105.08) ; Q2.1 76.8,105.13 76.52,104.86 76.52,104.12 76.81,103.83 Q2.3 ; v1(53.06,11.28) 53.06,10.93 U9.2 51.62,9.49 ; v2(107.76,88.68) 105.62,88.68 LEDs11.4 ; v2(79.66,103.78) 79.76,103.88 80.26,103.88 ; v1(97.26,95.88) 97.21,95.94 C1.2 96.76,96.29 96.76,97.19 U1.12 ; v1(47.56,6.88) 49.01,6.88 U9.17 50.56,8.43 ; v1(102.06,106.38) 101.24,107.2 ; 109.24,102.66 v1(110.06,103.48) ; 96.64,102.6 v1(97.56,101.68)
  Bottom w0.508: v1(120.46,104.38) 120.46,105.95 J1.A12 ; LEDs19.4 154.3,16.04 LEDs14.4 ; LEDs19.4 155.63,17.54 v1(155.66,17.58) ; LEDs19.4 151.73,17.54 v1(151.66,17.48) ; J5.A12 21.8,13.41 v1(21.86,13.48) ; v1(30.21,70.83) 30.04,71 LEDb2.4 ; LEDs5.4 28.96,87.88 v1(29.01,87.93) ; v1(159.26,81.98) 158.66,81.98 157.16,80.48 v1(155.96,80.48) 155.86,80.38 LEDs16.4 ; v1(29.36,14.28) 29.46,14.38 LEDs6.4 ; v1(116.9,104.34) 116.92,104.32 116.92,102.85 ; v1(132.06,87.98) 131.96,87.88 LEDs13.4 ; LEDs12.4 v1(116.66,15.58) ; v1(24.66,105.18) v1(25.36,105.18) 26.38,106.19 ; 15.96,101.67 v1(16.66,102.38) ; 39.69,95.05 v1(40.26,94.48) ; 21.15,5.48 FB3.2 ; 21.15,5.48 21.15,6.24 J5.A1 ; 21.15,5.48 v1(21.46,5.48) ; 113.66,105.97 v1(112.96,105.28) ; R14.2 85.44,95.5 v1(85.56,95.38) ; v1(12.81,87.88) C21.2 ; LEDe3.4 107.84,15.35 v1(107.81,15.33) ; C2.2 92.08,104.76 93.04,103.8 C11.2 92.94,102.38 v1(89.16,102.38) 88.74,102.38 87.3,103.83 Q1.1 ; U11.2 24.16,95.98 v1(24.26,96.08) ; U2.2 129.36,97.89 ; U3.2 v1(25.46,10.18) ; LEDs10.4 v1(82.41,15.58) ; LEDs15.4 v1(157.56,87.88) ; v1(21.36,74.88) 19.86,74.88 19.52,75.22 LEDs1.4 ; v1(51.96,86.58) 52.76,87.38 LEDs7.4 ; R11.2 109.66,106.48 v1(111.36,104.78) ; 125.76,101.62 125.76,102.23 v1(125.51,102.48) ; LEDs18.4 154.3,37.14 v1(154.56,36.88) ; v1(106.36,70.98) 106.34,71 LEDb6.4 ; v1(34.06,105.08) v1(33.36,105.08) 32.88,105.56 J3.A12 ; C22.2 C23.2 ; LEDs17.4 v1(156.16,57.08) ; C12.2 C6.2 97.56,108.98 v1(97.46,109.08) ; U10.2 v1(20.36,102.38) ; JP5.1 v1(56.56,7.28) ; v1(159.26,14.98) 164.56,14.98 164.94,15.35 LEDe6.4 ; 15.97,95.17 v1(16.66,94.48) ; v1(79.96,87.88) LEDs9.4 ; LEDs8.4 v1(54.71,15.58) ; C9.2 C7.2
  vias: v1(10.26,68.13) v1(11.16,58.38) v1(11.96,98.78) v1(11.96,98.03) v1(12.31,74.48) v1(12.41,70.73) v1(14.56,78.03) v1(16.21,3.38) v1(16.76,10.68) v1(16.76,9.93) v1(19.16,79.03) v1(21.81,78.58) v1(24.01,21.98) v1(27.36,20.68) v1(27.76,33.98) v1(28.41,9.18) v1(29.21,110.18) v1(29.61,90.53) v1(29.96,110.18) v1(31.26,9.03) v1(32.01,28.03) v1(32.21,41.48) v1(32.81,1.53) v1(35.11,11.03) v1(36.41,52.53) v1(37.41,27.43) v1(39.81,2.93) v1(40.56,11.23) v1(40.86,24.98) v1(43.06,22.68) v1(43.11,89.98) v1(44.46,52.18) v1(48.26,21.33) v1(50.66,28.68) v1(51.51,75.08) v1(52.31,0.98) v1(55.66,18.23) v1(58.56,75.13) v1(58.81,52.18) v1(59.61,94.38) v1(61.86,22.23) v1(65.31,90.18) v1(65.31,18.58) v1(65.56,15.33) v1(65.86,8.38) v1(70.26,28.98) v1(70.96,94.73) v1(77.46,52.18) v1(80.91,22.78) v1(81.56,3.88) v1(81.96,18.28) v1(85.47,9.86) v1(86.21,90.33) v1(92.56,96.58) v1(94.36,79.88) v1(95.11,52.43) v1(95.21,11.23) v1(95.91,86.93) v1(97.71,11.03) v1(99.11,79.63) v1(101.46,3.88) v1(105.01,18.23) v1(105.29,75.51) v1(106.36,2.48) v1(108.9,10.82) v1(109.81,70.78) v1(111.46,23.23) v1(111.51,66.98) v1(112.08,59.44) v1(112.66,51.63) v1(112.76,80.63) v1(113.26,36.08) v1(113.61,48.93) v1(113.95,3.94) v1(114.01,10.93) v1(114.16,98.08) v1(114.96,98.08) v1(115.76,98.08) v1(116.36,110.13) v1(116.86,89.28) v1(117.11,110.13) v1(117.16,80.13) v1(117.21,11.48) v1(117.66,89.28) v1(118.46,89.28) v1(124.61,15.73) v1(126.56,1.98) v1(127.06,17.83) v1(127.16,44.93) v1(127.42,11.09) v1(129.11,48.88) v1(134.27,2.06) v1(134.76,48.53) v1(137.56,17.63) v1(137.76,20.58) v1(138.66,42.38) v1(139.26,10.02) v1(139.66,14.93) v1(140.11,29.93) v1(142.56,19.03) v1(144.66,74.68) v1(144.66,26.33) v1(146.36,80.33) v1(150.36,23.78) v1(157.36,104.13) v1(157.36,103.38) v1(157.66,95.23) v1(157.96,33.83) v1(159.26,89.18) v1(159.26,85.18) v1(159.26,84.38) v1(159.26,83.58) v1(159.26,52.28) v1(159.26,51.48) v1(159.26,49.88) v1(159.26,49.08) v1(159.26,48.28) v1(159.26,47.48) v1(159.26,46.68) v1(159.26,45.88) v1(159.26,45.08) v1(159.26,44.28) v1(159.26,43.48) v1(159.26,42.68) v1(159.26,41.88) v1(159.26,41.08) v1(159.26,12.68) v1(159.26,11.88) v1(159.26,11.08) v1(159.26,9.48) v1(162.61,32.13) v1(167.91,20.78) v1(168.71,100.78) v1(168.96,36.73) v1(169.46,100.78) v1(171.56,49.63) v1(171.56,48.88) v1(171.66,21.63) v1(173.86,21.13) v1(174.46,35.68) v1(175.96,30.03) v1(175.96,29.28) v1(176.06,68.23) v1(176.06,67.48) v1(176.06,49.03) v1(176.06,48.28) v1(176.26,88.03) v1(176.26,87.28) v2(27.81,29.93)
/audio1: length 53.2
  Top w0.203: v2(143.16,96.98) v2(143.16,99.38) ; v2(106.56,102.28) 107.03,101.81 107.03,100.74 110.56,97.21 v2(110.56,96.78)
  Bottom w0.203: U1.20 98.06,102.58 106.26,102.58 v2(106.56,102.28) ; v2(143.16,96.98) 142.99,96.81 110.57,96.81 110.56,96.8 v2(110.56,96.78) ; v2(143.16,99.38) 143.16,100.68
/audio2: length 68.3
  Top w0.203: v2(111.56,96.28) 111.56,96.68 107.36,100.88 v2(107.36,102.28)
  Bottom w0.203: LS1.1 156.93,96.54 156.26,95.88 143.56,95.88 142.96,96.48 111.76,96.48 v2(111.56,96.28) ; U1.21 98.29,103.05 106.59,103.05 v2(107.36,102.28)
/B2: length 171.2
  Top w0.203: v2(102.37,105.47) 102.22,105.32 102.22,75.54 v2(101.36,74.68) ; SWe3.1 96.61,15.61 86.18,26.03 82.3,26.03 82.3,35.57 91.81,45.08 91.81,59.37 87.05,64.13 87.05,73.69 SWa4.1
  Bottom w0.203: 75.46,104.48 76.76,105.78 98.06,105.78 98.92,106.63 99.66,106.63 U1.28 100.65,105.64 101.08,105.64 101.12,105.69 102.15,105.69 v2(102.37,105.47) ; v2(101.36,74.68) 101.16,74.48 100.26,74.48 99.52,75.22 86.2,75.22 v2(85.86,74.88) ; R9.2 75.23,104.49
